# KiCad board SparkFun_IM19_IMU_Breakout_panelized.kicad_pcb (continued)
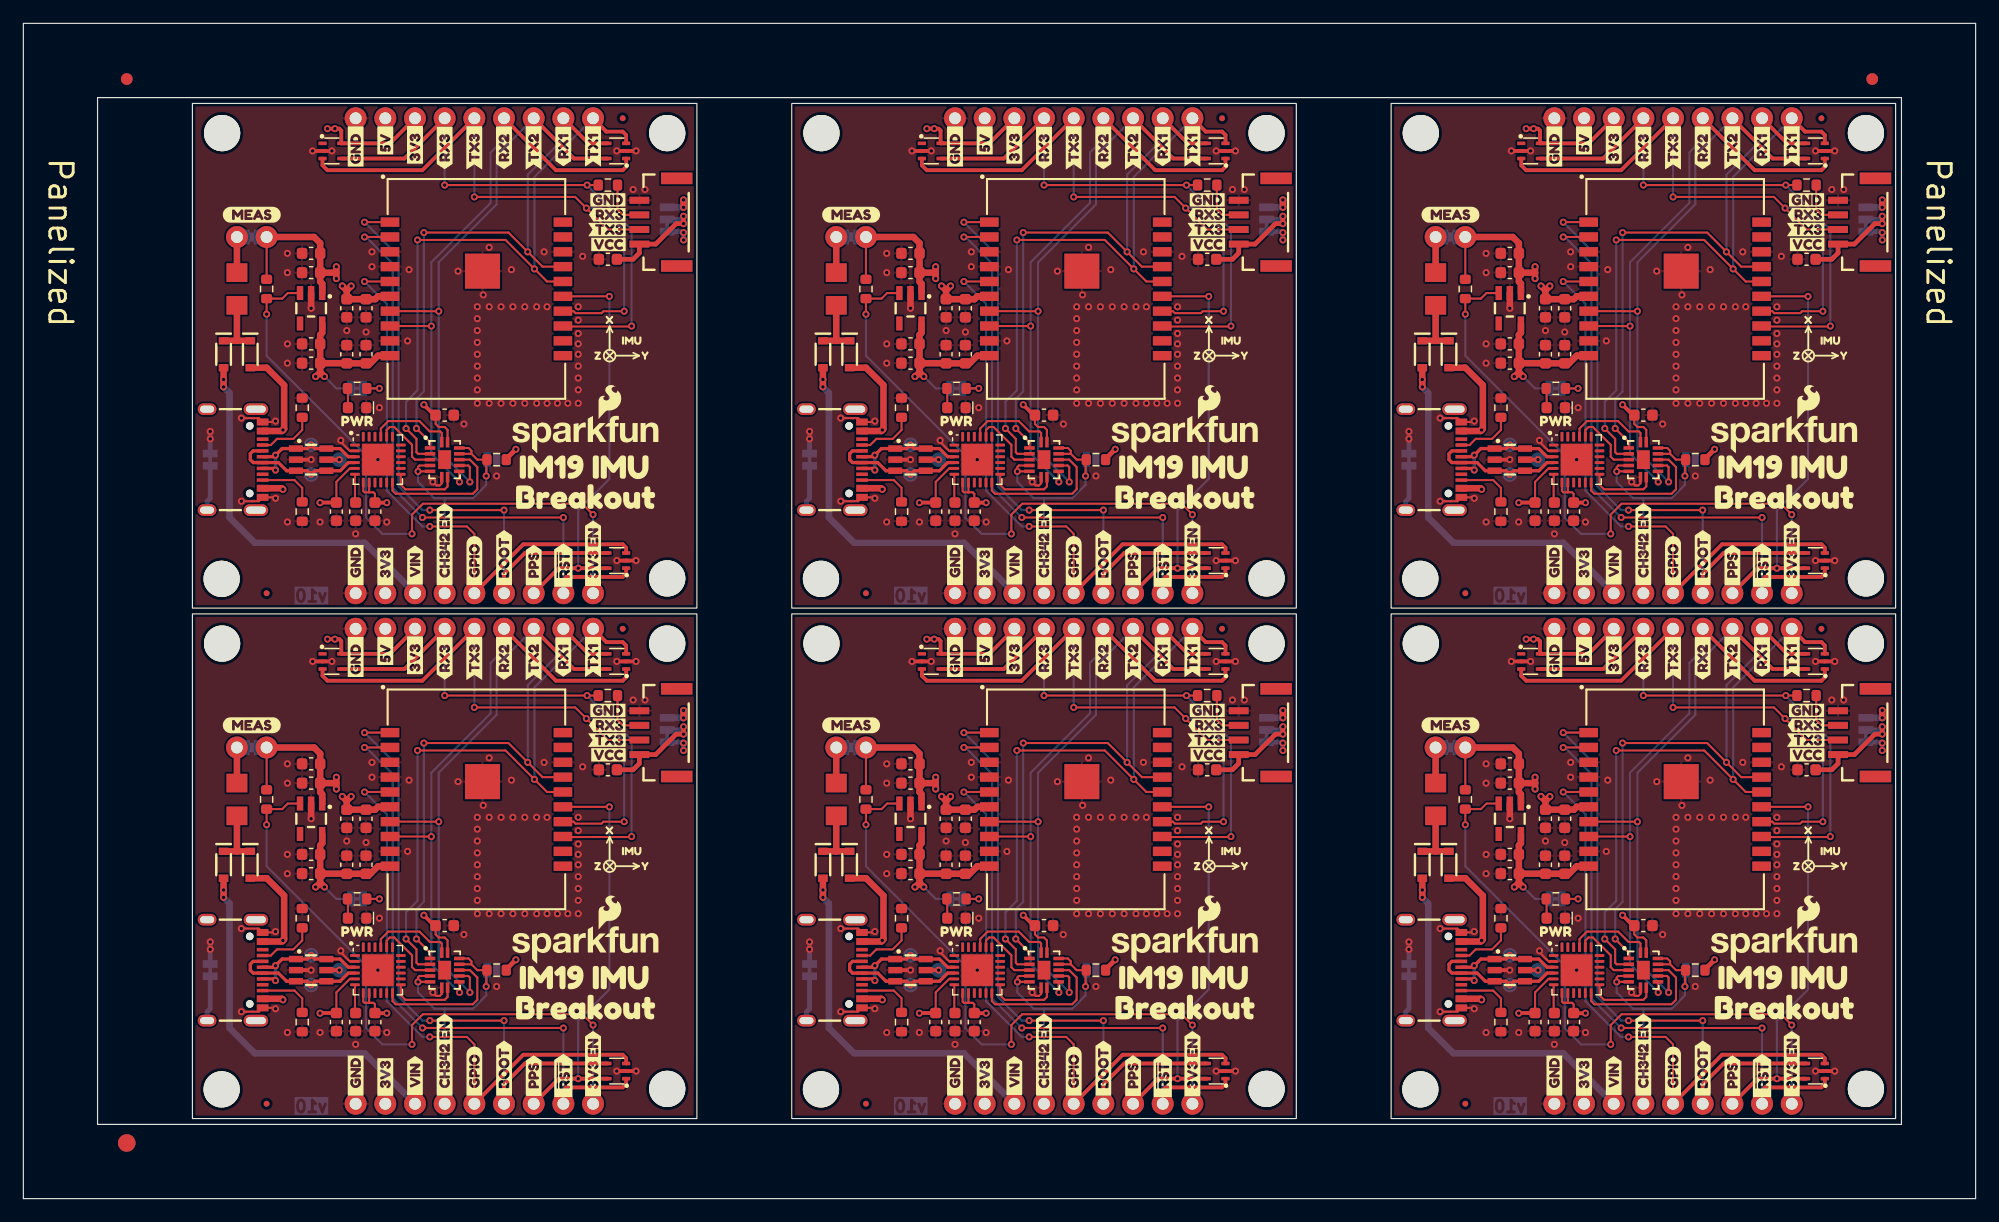
[diagram p0: board, top side]
## Library data of the parts (continued)
D4 D5 D7 = -: Datasheet: https://toshiba.semicon-storage.com/info/DF5A5.6LFU_datasheet_en_20140301.pdf?did=22260&prodName=DF5A5.6LFU; Description: Low capacitance microSD unidirectional quadruple ESD protection diode array, 3.3V, Common Anode, SOT-353; PROD_ID: DIO-20454; Rating: 3.3VWM/12VC; ki_fp_filters: SOT?353*
D4#2-D4#6 D5#2-D5#6 D7#2-D7#6 = -: Datasheet: https://toshiba.semicon-storage.com/info/DF5A5.6LFU_datasheet_en_20140301.pdf?did=22260&prodName=DF5A5.6LFU; Description: Low capacitance microSD unidirectional quadruple ESD protection diode array, 3.3V, Common Anode, SOT-353; PROD_ID: DIO-20454; Rating: 3.3VWM/12VC
D6 = -: Datasheet: https://www.diodes.com/assets/Datasheets/DT1042-04SO.pdf; Description: Very low capacitance ESD protection diode, 4 data-line, SOT-23-6; PROD_ID: IC-13538; Rating: 5VWM/9VC; ki_fp_filters: SOT?23*
D6#2-D6#6 = -: Datasheet: https://www.diodes.com/assets/Datasheets/DT1042-04SO.pdf; Description: Very low capacitance ESD protection diode, 4 data-line, SOT-23-6; PROD_ID: IC-13538; Rating: 5VWM/9VC
F1 = -: Datasheet: https://www.littelfuse.com/media?resourcetype=datasheets&itemid=2b6a1515-d4ee-4c83-8bd4-152b4901b8f5&filename=littelfuse_ptc_1206l_datasheet.pdf; Description: Resettable fuse 750mA; PROD_ID: RES-11150; ki_fp_filters: *polyfuse* *PTC*
F1#2-F1#6 = -: Datasheet: https://www.littelfuse.com/media?resourcetype=datasheets&itemid=2b6a1515-d4ee-4c83-8bd4-152b4901b8f5&filename=littelfuse_ptc_1206l_datasheet.pdf; Description: Resettable fuse 750mA; PROD_ID: RES-11150
FID1-FID4 = -: Description: Fiducial Marker; ki_fp_filters: Fiducial*
FID1#2-FID1#6 FID2#2-FID2#6 FID3#2-FID3#6 FID4#2-FID4#6 = -: Description: Fiducial Marker
J1 = -: Datasheet: https://www.jst-mfg.com/product/pdf/eng/eGH.pdf; Description: Locking 4 pin JST SMD connector; PROD_ID: CONN-15303; ki_fp_filters: Connector*:*_1x??_*
J1#2-J1#6 = -: Datasheet: https://www.jst-mfg.com/product/pdf/eng/eGH.pdf; Description: Locking 4 pin JST SMD connector; PROD_ID: CONN-15303
J2 J4 = -: Description: Basic 0.1" PTH; ki_fp_filters: Connector*:*_1x??_*
J2#2-J2#6 J4#2-J4#6 = -: Description: Basic 0.1" PTH
J3 = -: Datasheet: https://www.usb.org/sites/default/files/documents/usb_type-c.zip; Description: USB 2.0-only Type-C Receptacle connector; PROD_ID: CONN-14122; ki_fp_filters: USB*C*Receptacle*
J3#2-J3#6 = -: Datasheet: https://www.usb.org/sites/default/files/documents/usb_type-c.zip; Description: USB 2.0-only Type-C Receptacle connector; PROD_ID: CONN-14122
JP1 PWR.1 SHLD1 = -: Description: Solder Jumper, 2-pole, closed/bridged; ki_fp_filters: SolderJumper*Bridged*
JP1#2-JP1#6 PWR.1#2-PWR.1#6 SHLD1#2-SHLD1#6 = -: Description: Solder Jumper, 2-pole, closed/bridged
R1 R2 = -: Datasheet: https://www.vishay.com/docs/20035/dcrcwe3.pdf; Description: Resistor; PROD_ID: RES-07828; ki_fp_filters: R_*
R1#2-R1#6 R2#2-R2#6 = -: Datasheet: https://www.vishay.com/docs/20035/dcrcwe3.pdf; Description: Resistor; PROD_ID: RES-07828
R3 = -: Datasheet: https://www.vishay.com/docs/20035/dcrcwe3.pdf; Description: Resistor; PROD_ID: RES-07856; ki_fp_filters: R_*
R3#2-R3#6 = -: Datasheet: https://www.vishay.com/docs/20035/dcrcwe3.pdf; Description: Resistor; PROD_ID: RES-07856
R4 = -: Datasheet: https://www.vishay.com/docs/20035/dcrcwe3.pdf; Description: Resistor; PROD_ID: RES-07857; ki_fp_filters: R_*
R4#2-R4#6 = -: Datasheet: https://www.vishay.com/docs/20035/dcrcwe3.pdf; Description: Resistor; PROD_ID: RES-07857
R5 R6 = -: Datasheet: https://www.vishay.com/docs/20035/dcrcwe3.pdf; Description: Resistor; PROD_ID: RES-12083; ki_fp_filters: R_*
R5#2-R5#6 R6#2-R6#6 = -: Datasheet: https://www.vishay.com/docs/20035/dcrcwe3.pdf; Description: Resistor; PROD_ID: RES-12083
ST1-ST4 = -: Description: Drill holes for mechanically mounting via screws, standoffs, etc.; ki_fp_filters: Fiducial*
ST1#2-ST1#6 ST2#2-ST2#6 ST3#2-ST3#6 ST4#2-ST4#6 = -: Description: Drill holes for mechanically mounting via screws, standoffs, etc.
TP1-TP3 = -: Description: Test Point; ki_fp_filters: Pin* Test*
TP1#2-TP1#6 TP2#2-TP2#6 TP3#2-TP3#6 = -: Description: Test Point
U1 = -: Datasheet: https://cdn.sparkfun.com/assets/4/5/0/b/7/CH342_Datasheet.pdf; Description: USB dual serial converter, UART, QFN-24; PROD_ID: IC-23059; ki_fp_filters: SOIC*3.9x9.9mm*P1.27mm*
U1#2-U1#6 = -: Datasheet: https://cdn.sparkfun.com/assets/4/5/0/b/7/CH342_Datasheet.pdf; Description: USB dual serial converter, UART, QFN-24; PROD_ID: IC-23059
U2 = -: Datasheet: https://cdn.sparkfun.com/assets/6/c/c/a/0/IM19_Product_Integration_Guide_v1.4.1.pdf; Description: GNSS capable IMU for tilt compensation; PROD_ID: IC-26590; ki_fp_filters: SOIC*5.23x5.23mm*P1.27mm*
U2#2-U2#6 = -: Datasheet: https://cdn.sparkfun.com/assets/6/c/c/a/0/IM19_Product_Integration_Guide_v1.4.1.pdf; Description: GNSS capable IMU for tilt compensation; PROD_ID: IC-26590
U3 = -: Datasheet: https://www.richtek.com/SaveDownload.aspx?specid=RT9080; Description: 600mA low dropout linear regulator, with enable pin, 3.8V-6V input voltage range, 3.3V fixed positive output, SOT-23-5; PROD_ID: VREG-19034; VMax: 5.5V; Ityp: 1.0A; IMax: 600mA; Iq: 4µA; ki_fp_filters: SOT?23?5*
U3#2-U3#6 = -: Datasheet: https://www.richtek.com/SaveDownload.aspx?specid=RT9080; Description: 600mA low dropout linear regulator, with enable pin, 3.8V-6V input voltage range, 3.3V fixed positive output, SOT-23-5; PROD_ID: VREG-19034; VMax: 5.5V; Ityp: 1.0A; IMax: 600mA; Iq: 4µA
U4 U4#3-U4#6 = -: Datasheet: https://assets.nexperia.com/documents/data-sheet/74HC_HCT4066.pdf; Description: Quad single-pole single-throw analog switch QFN; PROD_ID: IC-16528; VCC: VCC: 2.0V Min, 5.0V Typ, 10.0V Max
U4#2 = -: Datasheet: https://assets.nexperia.com/documents/data-sheet/74HC_HCT4066.pdf; Description: Quad single-pole single-throw analog switch QFN; PROD_ID: IC-16528; VCC: VCC: 2.0V Min, 5.0V Typ, 10.0V Max; ki_fp_filters: TSSOP*4.4x5mm*P0.65mm* DIP*W7.62* SOIC*3.9x9.9mm*P1.27mm* SO*5.3x10.2mm*P1.27mm*
VCC.1 = -: Description: 3-pole Solder Jumper, pins 1+2 closed/bridged; ki_fp_filters: SolderJumper*Bridged12*
VCC.1#2-VCC.1#6 = -: Description: 3-pole Solder Jumper, pins 1+2 closed/bridged

## Footprints (pads in the part's own frame, mm; a bottom-side part is the same pattern mirrored in y, then rotated)
1x09_P2.54mm
  round 1.88 hole 1.016: 1(0,0) 2(2.54,0) 3(5.08,0) 4(7.62,0) 5(10.16,0) 6(12.7,0) 7(15.24,0) 8(17.78,0) 9(20.32,0)
1206
  rect 1.6x1.8 smd: 1(-1.4,0) 2(1.4,0)
C_0603_1608Metric
  rrect 0.9x0.95 smd: 1(-0.775,0) 2(0.775,0)
Fiducial_0.5mm_Mask1mm
  round 0.5 smd: (0,0)
Fiducial_1.5mm_Mask3mm
  round 1.5 smd: (0,0)
Fiducial_1mm_Mask3mm
  round 1 smd: (0,0)
IM19
  rect 1.6x0.8 smd: 1(-7.4,5.715) 2(-7.4,4.445) 3(-7.4,3.175) 4(-7.4,1.905) 5(-7.4,0.635) 6(-7.4,-0.635) 7(-7.4,-1.905) 8(-7.4,-3.175) 9(-7.4,-4.445) 10(-7.4,-5.715) 11(7.4,-5.715) 12(7.4,-4.445) 13(7.4,-3.175) 14(7.4,-1.905) 15(7.4,-0.635) 16(7.4,0.635) 17(7.4,1.905) 18(7.4,3.175) 19(7.4,4.445) 20(7.4,5.715)
  rect 3x3 smd: 21(0.52,1.52)
JST_1x04_P1.25mm_Locking_Horizontal_SMD
  rect 0.6x1.7 smd: 1(-1.875,1.75) 2(-0.625,1.75) 3(0.625,1.75) 4(1.875,1.75)
  rect 1x2.7 smd: NC1(-3.75,-1.45) NC2(3.75,-1.45)
Jumper_2_NC_Trace
  rect 0.66x1.27 smd: 1(-0.521,0) 2(0.521,0)
Jumper_2_NO
  rect 0.635x1.27 smd: 1(-0.406,0) 2(0.406,0)
Jumper_2_PTH_SMD_Combo-NC
  round 1.88 hole 1.016: 1(-1.27,0) 2(1.27,0)
  rect 0.635x1.27 smd: 1(-0.508,0) 2(0.508,0)
Jumper_3_NC-1_Trace
  rect 0.66x1.27 smd: 1(-1.041,0) 2(0,0) 3(1.041,0)
LED_0603_1608Metric_Red
  rrect 0.875x0.95 smd: 1(-0.787,0) 2(0.787,0)
QFN-14_2.5x3mm_P0.5mm_EP1x1.5mm
  rect 0.3x0.9 smd: 1(-0.25,1.5) 7(-0.25,-1.5) 8(0.25,-1.5) 14(0.25,1.5)
  rect 0.9x0.3 smd: 2(-1.25,1) 3(-1.25,0.5) 4(-1.25,0) 5(-1.25,-0.5) 6(-1.25,-1) 9(1.25,-1) 10(1.25,-0.5) 11(1.25,0) 12(1.25,0.5) 13(1.25,1)
  rect 1.1x1.6 smd: EP(0,0)
QFN-24-1EP_4x4mm_P0.5mm_EP2.7x2.7mm
  rrect 1.09x1.09 smd: (-0.675,0.675) (-0.675,-0.675) (0.675,0.675) (0.675,-0.675)
  rrect 0.825x0.25 smd: 1(-1.962,1.25) 2(-1.962,0.75) 3(-1.962,0.25) 4(-1.962,-0.25) 5(-1.962,-0.75) 6(-1.962,-1.25) 13(1.962,-1.25) 14(1.962,-0.75) 15(1.962,-0.25) 16(1.962,0.25) 17(1.962,0.75) 18(1.962,1.25)
  rrect 0.25x0.825 smd: 7(-1.25,-1.962) 8(-0.75,-1.962) 9(-0.25,-1.962) 10(0.25,-1.962) 11(0.75,-1.962) 12(1.25,-1.962) 19(1.25,1.962) 20(0.75,1.962) 21(0.25,1.962) 22(-0.25,1.962) 23(-0.75,1.962) 24(-1.25,1.962)
  rect 2.7x2.7 smd: 25(0,0)
R_0603_1608Metric
  rrect 0.8x0.95 smd: 1(-0.825,0) 2(0.825,0)
SOD-323
  rect 0.63x0.83 smd: 1(-1.15,0) 2(1.15,0)
SOT23-5
  rect 1.2x0.55 smd: 1(-1.3,0.95) 2(-1.3,0) 3(-1.3,-0.95) 4(1.3,-0.95) 5(1.3,0.95)
SOT23-6
  rect 1.2x0.55 smd: 1(-1.3,0.95) 2(-1.3,0) 3(-1.3,-0.95) 4(1.3,-0.95) 5(1.3,0) 6(1.3,0.95)
SOT-353
  rect 0.7x0.3 smd: 1(-0.8,0.65) 2(-0.8,0) 3(-0.8,-0.65) 4(0.8,-0.65) 5(0.8,0.65)
Standoff
  round 3.1 hole 3.1 unplated: (0,0)
TestPoint-1.25mm
  rrect 1.25x1.25 smd: 1(0,0)
USB-C_16
  round 0.65 hole 0.65 unplated: (-2.89,-1.445) (2.89,-1.445)
  rect 0.3x1 smd: A5(-1.25,-0.34) A6(-0.25,-0.34) A7(0.25,-0.34) A8(1.25,-0.34) B5(1.75,-0.34) B6(0.75,-0.34) B7(-0.75,-0.34) B8(-1.75,-0.34)
  rect 0.6x1 smd: GND(-3.225,-0.34) GND(3.225,-0.34) VBUS(-2.45,-0.34) VBUS(2.45,-0.34)
  oval 1x1.6 hole 0.6x1.2: NC1(-4.318,-5.095) S(4.318,-5.095)
  oval 1x2.1 hole 0.6x1.7: NC2(-4.318,-0.915) NC3(4.318,-0.915)

## Nets
3.3V: C1.1 C1#2.1 C1#3.1 C1#4.1 C1#5.1 C1#6.1 C2.1 C2#2.1 C2#3.1 C2#4.1 C2#5.1 C2#6.1 C3.1 C3#2.1 C3#3.1 C3#4.1 C3#5.1 C3#6.1 C4.1 C4#2.1 C4#3.1 C4#4.1 C4#5.1 C4#6.1 C6.1 C6#2.1 C6#3.1 C6#4.1 C6#5.1 C6#6.1 C10.1 C10#2.1 C10#3.1 C10#4.1 C10#5.1 C10#6.1 C12.1 C12#2.1 C12#3.1 C12#4.1 C12#5.1 C12#6.1 C13.1 C13#2.1 C13#3.1 C13#4.1 C13#5.1 C13#6.1 D5.5 D5#2.5 D5#3.5 D5#4.5 D5#5.5 D5#6.5 J2.7 J2#2.7 J2#3.7 J2#4.7 J2#5.7 J2#6.7 J4.8 J4#2.8 J4#3.8 J4#4.8 J4#5.8 J4#6.8 PWR.1.2 PWR.1#2.2 PWR.1#3.2 PWR.1#4.2 PWR.1#5.2 PWR.1#6.2 R2.2 R2#2.2 R2#3.2 R2#4.2 R2#5.2 R2#6.2 U1.5 U1#2.5 U1#3.5 U1#4.5 U1#5.5 U1#6.5 U2.6 U2.10 U2#2.6 U2#2.10 U2#3.6 U2#3.10 U2#4.6 U2#4.10 U2#5.6 U2#5.10 U2#6.6 U2#6.10 U3.5 U3#2.5 U3#3.5 U3#4.5 U3#5.5 U3#6.5 U4.14 U4#2.14 U4#3.14 U4#4.14 U4#5.14 U4#6.14 VCC.1.1 VCC.1#2.1 VCC.1#3.1 VCC.1#4.1 VCC.1#5.1 VCC.1#6.1
3V3_EN: J4.1 J4#2.1 J4#3.1 J4#4.1 J4#5.1 J4#6.1 R1.1 R1#2.1 R1#3.1 R1#4.1 R1#5.1 R1#6.1 U3.3 U3#2.3 U3#3.3 U3#4.3 U3#5.3 U3#6.3
5V: C8.1 C8#2.1 C8#3.1 C8#4.1 C8#5.1 C8#6.1 C9.1 C9#2.1 C9#3.1 C9#4.1 C9#5.1 C9#6.1 J2.8 J2#2.8 J2#3.8 J2#4.8 J2#5.8 J2#6.8 JP1.2 JP1#2.2 JP1#3.2 JP1#4.2 JP1#5.2 JP1#6.2 R1.2 R1#2.2 R1#3.2 R1#4.2 R1#5.2 R1#6.2 U3.1 U3#2.1 U3#3.1 U3#4.1 U3#5.1 U3#6.1 VCC.1.3 VCC.1#2.3 VCC.1#3.3 VCC.1#4.3 VCC.1#5.3 VCC.1#6.3
GND: C1.2 C1#2.2 C1#3.2 C1#4.2 C1#5.2 C1#6.2 C2.2 C2#2.2 C2#3.2 C2#4.2 C2#5.2 C2#6.2 C3.2 C3#2.2 C3#3.2 C3#4.2 C3#5.2 C3#6.2 C4.2 C4#2.2 C4#3.2 C4#4.2 C4#5.2 C4#6.2 C5.2 C5#2.2 C5#3.2 C5#4.2 C5#5.2 C5#6.2 C6.2 C6#2.2 C6#3.2 C6#4.2 C6#5.2 C6#6.2 C7.2 C7#2.2 C7#3.2 C7#4.2 C7#5.2 C7#6.2 C8.2 C8#2.2 C8#3.2 C8#4.2 C8#5.2 C8#6.2 C9.2 C9#2.2 C9#3.2 C9#4.2 C9#5.2 C9#6.2 C10.2 C10#2.2 C10#3.2 C10#4.2 C10#5.2 C10#6.2 C11.2 C11#2.2 C11#3.2 C11#4.2 C11#5.2 C11#6.2 C12.2 C12#2.2 C12#3.2 C12#4.2 C12#5.2 C12#6.2 C13.2 C13#2.2 C13#3.2 C13#4.2 C13#5.2 C13#6.2 CH342_EN.1.1 CH342_EN.1#2.1 CH342_EN.1#3.1 CH342_EN.1#4.1 CH342_EN.1#5.1 CH342_EN.1#6.1 D3.1 D3#2.1 D3#3.1 D3#4.1 D3#5.1 D3#6.1 D4.2 D4#2.2 D4#3.2 D4#4.2 D4#5.2 D4#6.2 D5.2 D5#2.2 D5#3.2 D5#4.2 D5#5.2 D5#6.2 D6.2 D6#2.2 D6#3.2 D6#4.2 D6#5.2 D6#6.2 D7.2 D7#2.2 D7#3.2 D7#4.2 D7#5.2 D7#6.2 J1.4 J1#2.4 J1#3.4 J1#4.4 J1#5.4 J1#6.4 J2.9 J2#2.9 J2#3.9 J2#4.9 J2#5.9 J2#6.9 J3.GND J3#2.GND J3#3.GND J3#4.GND J3#5.GND J3#6.GND J4.9 J4#2.9 J4#3.9 J4#4.9 J4#5.9 J4#6.9 R5.1 R5#2.1 R5#3.1 R5#4.1 R5#5.1 R5#6.1 R6.1 R6#2.1 R6#3.1 R6#4.1 R6#5.1 R6#6.1 SHLD1.1 SHLD1#2.1 SHLD1#3.1 SHLD1#4.1 SHLD1#5.1 SHLD1#6.1 U1.2 U1.25 U1#2.2 U1#2.25 U1#3.2 U1#3.25 U1#4.2 U1#4.25 U1#5.2 U1#5.25 U1#6.2 U1#6.25 U2.3 U2.4 U2.9 U2.18 U2.21 U2#2.3 U2#2.4 U2#2.9 U2#2.18 U2#2.21 U2#3.3 U2#3.4 U2#3.9 U2#3.18 U2#3.21 U2#4.3 U2#4.4 U2#4.9 U2#4.18 U2#4.21 U2#5.3 U2#5.4 U2#5.9 U2#5.18 U2#5.21 U2#6.3 U2#6.4 U2#6.9 U2#6.18 U2#6.21 U3.2 U3#2.2 U3#3.2 U3#4.2 U3#5.2 U3#6.2 U4.7 U4#2.7 U4#3.7 U4#4.7 U4#5.7 U4#6.7
VIN: D2.2 D2#2.2 D2#3.2 D2#4.2 D2#5.2 D2#6.2 J4.7 J4#2.7 J4#3.7 J4#4.7 J4#5.7 J4#6.7
BOOT: D7.4 D7#2.4 D7#3.4 D7#4.4 D7#5.4 D7#6.4 J4.4 J4#2.4 J4#3.4 J4#4.4 J4#5.4 J4#6.4 U2.1 U2#2.1 U2#3.1 U2#4.1 U2#5.1 U2#6.1
CH342_EN: CH342_EN.1.2 CH342_EN.1#2.2 CH342_EN.1#3.2 CH342_EN.1#4.2 CH342_EN.1#5.2 CH342_EN.1#6.2 J4.6 J4#2.6 J4#3.6 J4#4.6 J4#5.6 J4#6.6 R2.1 R2#2.1 R2#3.1 R2#4.1 R2#5.1 R2#6.1 U4.5 U4.6 U4.12 U4.13 U4#2.5 U4#2.6 U4#2.12 U4#2.13 U4#3.5 U4#3.6 U4#3.12 U4#3.13 U4#4.5 U4#4.6 U4#4.12 U4#4.13 U4#5.5 U4#5.6 U4#5.12 U4#5.13 U4#6.5 U4#6.6 U4#6.12 U4#6.13
D+: D6.1 D6.6 D6#2.1 D6#2.6 D6#3.1 D6#3.6 D6#4.1 D6#4.6 D6#5.1 D6#5.6 D6#6.1 D6#6.6 J3.A6 J3.B6 J3#2.A6 J3#2.B6 J3#3.A6 J3#3.B6 J3#4.A6 J3#4.B6 J3#5.A6 J3#5.B6 J3#6.A6 J3#6.B6 TP1.1 TP1#2.1 TP1#3.1 TP1#4.1 TP1#5.1 TP1#6.1 U1.3 U1#2.3 U1#3.3 U1#4.3 U1#5.3 U1#6.3
D-: D6.3 D6.4 D6#2.3 D6#2.4 D6#3.3 D6#3.4 D6#4.3 D6#4.4 D6#5.3 D6#5.4 D6#6.3 D6#6.4 J3.A7 J3.B7 J3#2.A7 J3#2.B7 J3#3.A7 J3#3.B7 J3#4.A7 J3#4.B7 J3#5.A7 J3#5.B7 J3#6.A7 J3#6.B7 TP2.1 TP2#2.1 TP2#3.1 TP2#4.1 TP2#5.1 TP2#6.1 U1.4 U1#2.4 U1#3.4 U1#4.4 U1#5.4 U1#6.4
GPIO: D7.3 D7#2.3 D7#3.3 D7#4.3 D7#5.3 D7#6.3 J4.5 J4#2.5 J4#3.5 J4#4.5 J4#5.5 J4#6.5 U2.5 U2#2.5 U2#3.5 U2#4.5 U2#5.5 U2#6.5
PPS: D7.5 D7#2.5 D7#3.5 D7#4.5 D7#5.5 D7#6.5 J4.3 J4#2.3 J4#3.3 J4#4.3 J4#5.3 J4#6.3 U2.15 U2#2.15 U2#3.15 U2#4.15 U2#5.15 U2#6.15
RXD1: D4.4 D4#2.4 D4#3.4 D4#4.4 D4#5.4 D4#6.4 J2.2 J2#2.2 J2#3.2 J2#4.2 J2#5.2 J2#6.2 U2.17 U2#2.17 U2#3.17 U2#4.17 U2#5.17 U2#6.17 U4.2 U4#2.2 U4#3.2 U4#4.2 U4#5.2 U4#6.2
RXD2: D4.1 D4#2.1 D4#3.1 D4#4.1 D4#5.1 D4#6.1 J2.4 J2#2.4 J2#3.4 J2#4.4 J2#5.4 J2#6.4 U2.8 U2#2.8 U2#3.8 U2#4.8 U2#5.8 U2#6.8 U4.9 U4#2.9 U4#3.9 U4#4.9 U4#5.9 U4#6.9
RXD3: D5.4 D5#2.4 D5#3.4 D5#4.4 D5#5.4 D5#6.4 J2.6 J2#2.6 J2#3.6 J2#4.6 J2#5.6 J2#6.6 R3.1 R3#2.1 R3#3.1 R3#4.1 R3#5.1 R3#6.1 U2.13 U2#2.13 U2#3.13 U2#4.13 U2#5.13 U2#6.13
TXD1: D4.3 D4#2.3 D4#3.3 D4#4.3 D4#5.3 D4#6.3 J2.1 J2#2.1 J2#3.1 J2#4.1 J2#5.1 J2#6.1 U2.16 U2#2.16 U2#3.16 U2#4.16 U2#5.16 U2#6.16 U4.3 U4#2.3 U4#3.3 U4#4.3 U4#5.3 U4#6.3
TXD2: D4.5 D4#2.5 D4#3.5 D4#4.5 D4#5.5 D4#6.5 J2.3 J2#2.3 J2#3.3 J2#4.3 J2#5.3 J2#6.3 U2.7 U2#2.7 U2#3.7 U2#4.7 U2#5.7 U2#6.7 U4.10 U4#2.10 U4#3.10 U4#4.10 U4#5.10 U4#6.10
TXD3: D5.3 D5#2.3 D5#3.3 D5#4.3 D5#5.3 D5#6.3 J1.2 J1#2.2 J1#3.2 J1#4.2 J1#5.2 J1#6.2 J2.5 J2#2.5 J2#3.5 J2#4.5 J2#5.5 J2#6.5 U2.14 U2#2.14 U2#3.14 U2#4.14 U2#5.14 U2#6.14
VUSB: C5.1 C5#2.1 C5#3.1 C5#4.1 C5#5.1 C5#6.1 D1.2 D1#2.2 D1#3.2 D1#4.2 D1#5.2 D1#6.2 D6.5 D6#2.5 D6#3.5 D6#4.5 D6#5.5 D6#6.5 J3.VBUS J3#2.VBUS J3#3.VBUS J3#4.VBUS J3#5.VBUS J3#6.VBUS TP3.1 TP3#2.1 TP3#3.1 TP3#4.1 TP3#5.1 TP3#6.1 U1.7 U1.8 U1#2.7 U1#2.8 U1#3.7 U1#3.8 U1#4.7 U1#4.8 U1#5.7 U1#5.8 U1#6.7 U1#6.8
~{RESET}: D7.1 D7#2.1 D7#3.1 D7#4.1 D7#5.1 D7#6.1 J4.2 J4#2.2 J4#3.2 J4#4.2 J4#5.2 J4#6.2 U2.2 U2#2.2 U2#3.2 U2#4.2 U2#5.2 U2#6.2
Net-(D1-K): D1.1 D1#2.1 D1#3.1 D1#4.1 D1#5.1 D1#6.1 D2.1 D2#2.1 D2#3.1 D2#4.1 D2#5.1 D2#6.1 F1.1 F1#2.1 F1#3.1 F1#4.1 F1#5.1 F1#6.1
Net-(D3-A): D3.2 D3#2.2 D3#3.2 D3#4.2 D3#5.2 D3#6.2 R4.1 R4#2.1 R4#3.1 R4#4.1 R4#5.1 R4#6.1
Net-(J1-Pin_1): C11.1 C11#2.1 C11#3.1 C11#4.1 C11#5.1 C11#6.1 J1.1 J1#2.1 J1#3.1 J1#4.1 J1#5.1 J1#6.1 VCC.1.2 VCC.1#2.2 VCC.1#3.2 VCC.1#4.2 VCC.1#5.2 VCC.1#6.2
Net-(J1-Pin_3): J1.3 J1#2.3 J1#3.3 J1#4.3 J1#5.3 J1#6.3 R3.2 R3#2.2 R3#3.2 R3#4.2 R3#5.2 R3#6.2
Net-(J3-CC1): J3.A5 J3#2.A5 J3#3.A5 J3#4.A5 J3#5.A5 J3#6.A5 R6.2 R6#2.2 R6#3.2 R6#4.2 R6#5.2 R6#6.2
Net-(J3-CC2): J3.B5 J3#2.B5 J3#3.B5 J3#4.B5 J3#5.B5 J3#6.B5 R5.2 R5#2.2 R5#3.2 R5#4.2 R5#5.2 R5#6.2
Net-(J3-SHIELD): J3.S J3#2.S J3#3.S J3#4.S J3#5.S J3#6.S SHLD1.2 SHLD1#2.2 SHLD1#3.2 SHLD1#4.2 SHLD1#5.2 SHLD1#6.2
Net-(JP1-A): F1.2 F1#2.2 F1#3.2 F1#4.2 F1#5.2 F1#6.2 JP1.1 JP1#2.1 JP1#3.1 JP1#4.1 JP1#5.1 JP1#6.1
Net-(PWR.1-A): PWR.1.1 PWR.1#2.1 PWR.1#3.1 PWR.1#4.1 PWR.1#5.1 PWR.1#6.1 R4.2 R4#2.2 R4#3.2 R4#4.2 R4#5.2 R4#6.2
Net-(U1-RXD0): U1.20 U1#2.20 U1#3.20 U1#4.20 U1#5.20 U1#6.20 U4.4 U4#2.4 U4#3.4 U4#4.4 U4#5.4 U4#6.4
Net-(U1-RXD1): U1.12 U1#2.12 U1#3.12 U1#4.12 U1#5.12 U1#6.12 U4.11 U4#2.11 U4#3.11 U4#4.11 U4#5.11 U4#6.11
Net-(U1-TXD0): U1.21 U1#2.21 U1#3.21 U1#4.21 U1#5.21 U1#6.21 U4.1 U4#2.1 U4#3.1 U4#4.1 U4#5.1 U4#6.1
Net-(U1-TXD1): U1.13 U1#2.13 U1#3.13 U1#4.13 U1#5.13 U1#6.13 U4.8 U4#2.8 U4#3.8 U4#4.8 U4#5.8 U4#6.8
Net-(U1-V3): C7.1 C7#2.1 C7#3.1 C7#4.1 C7#5.1 C7#6.1 U1.6 U1#2.6 U1#3.6 U1#4.6 U1#5.6 U1#6.6

Pads without a net: D5 1; D5#2 1; D5#3 1; D5#4 1; D5#5 1; D5#6 1; J1 NC1 NC2; J1#2 NC1 NC2; J1#3 NC1 NC2; J1#4 NC1 NC2; J1#5 NC1 NC2; J1#6 NC1 NC2; J3 A8 B8 NC1 NC2 NC3; J3#2 A8 B8 NC1 NC2 NC3; J3#3 A8 B8 NC1 NC2 NC3; J3#4 A8 B8 NC1 NC2 NC3; J3#5 A8 B8 NC1 NC2 NC3; J3#6 A8 B8 NC1 NC2 NC3; U1 1 9 10 11 14 15 16 17 18 19 22 23 24; U1#2 1 9 10 11 14 15 16 17 18 19 22 23 24; U1#3 1 9 10 11 14 15 16 17 18 19 22 23 24; U1#4 1 9 10 11 14 15 16 17 18 19 22 23 24; U1#5 1 9 10 11 14 15 16 17 18 19 22 23 24; U1#6 1 9 10 11 14 15 16 17 18 19 22 23 24; U2 11 12 19 20; U2#2 11 12 19 20; U2#3 11 12 19 20; U2#4 11 12 19 20; U2#5 11 12 19 20; U2#6 11 12 19 20; U3 4; U3#2 4; U3#3 4; U3#4 4; U3#5 4; U3#6 4; U4 EP; U4#2 EP; U4#3 EP; U4#4 EP; U4#5 EP; U4#6 EP

## Via types
v1: diameter 0.61, hole 0.305, Top to Bottom, 798 vias

## Routing (per net, layer and track width the routed paths; a pad name or vN(x,y) marks a point on that pad's centre or on a via; arc(x,y) is an arc through that point)
3.3V: length 267.8
  Top w0.178: U4.14 138.91,22.09 138.66,22.34 138.15,22.34 137.89,22.61 C13#4.1 ; C13#3.1 86.59,22.61 86.85,22.34 87.36,22.34 87.61,22.09 U4#4.14 ; C6#4.1 26.79,61.33 27.94,62.48 U1#2.5 ; C6#2.1 129.39,61.33 130.54,62.48 U1#5.5 ; U1#4.5 79.24,18.8 78.09,17.64 C6#5.1 ; U4#6.14 138.91,65.77 138.66,66.02 138.15,66.02 137.89,66.29 C13#5.1 ; U1#3.5 79.24,62.48 78.09,61.33 C6#6.1 ; C13#6.1 86.59,66.29 86.85,66.02 87.36,66.02 87.61,65.77 U4#5.14 ; U1.5 27.94,18.8 26.79,17.64 C6.1 ; U4#2.14 36.31,22.09 36.06,22.34 35.55,22.34 35.28,22.61 C13.1 ; C13#2.1 35.28,66.29 35.55,66.02 36.06,66.02 36.31,65.77 U4#3.14 ; C6#3.1 129.39,17.64 130.54,18.8 U1#6.5
  Top w0.33: v1(85.58,24.25) 86.47,23.36 C13#3.1 ; v1(77.33,47.87) 78.34,47.87 78.51,47.71 D5#2.5 82.68,46.62 J2#2.7 ; v1(34.28,67.93) 35.17,67.04 C13#2.1 ; v1(25.39,15.87) 25.41,15.88 C6.1 ; C13.1 35.17,23.36 v1(34.28,24.25) ; v1(127.99,15.87) 128,15.88 C6#3.1 ; C6#5.1 76.71,15.88 v1(76.69,15.87) ; v1(85.58,67.93) 86.47,67.04 C13#6.1 ; J2#6.7 133.98,90.3 D5#4.5 129.81,91.39 129.64,91.55 v1(128.63,91.55) ; v1(26.03,91.55) 27.04,91.55 27.21,91.39 D5#3.5 31.38,90.3 J2#3.7 ; J2#5.7 133.98,46.62 D5#5.5 129.81,47.71 129.64,47.87 v1(128.63,47.87) ; C13#4.1 137.77,23.36 v1(136.88,24.25) ; v1(25.39,59.55) 25.41,59.56 C6#4.1 ; v1(127.99,59.55) 128,59.56 C6#2.1 ; v1(136.88,67.93) 137.77,67.04 C13#5.1 ; v1(26.03,47.87) 27.04,47.87 27.21,47.71 D5.5 31.38,46.62 J2.7 ; C6#6.1 76.71,59.56 v1(76.69,59.55) ; J2#4.7 82.68,90.3 D5#6.5 78.51,91.39 78.34,91.55 v1(77.33,91.55)
  Top w0.406: R2#4.2 143.93,19.61 v1(144.76,20.44) ; v1(93.46,20.44) 92.63,19.61 R2#6.2 ; v1(144.76,64.12) 143.93,63.29 R2#2.2 ; v1(42.16,20.44) 41.33,19.61 R2.2 ; v1(93.46,64.12) 92.63,63.29 R2#5.2 ; v1(42.16,64.12) 41.33,63.29 R2#3.2
  Top w0.559: C12#5.1 78.97,71.48 C2#4.1 80.62,71.47 80.63,71.48 81.01,71.48 81.65,72.12 U2#5.10 ; C12#5.1 76.71,70.71 ; C12#5.1 C10#3.1 76.71,73.91 76.88,74.09 U3#3.5 ; 25.41,71.48 25.41,70.71 ; 25.41,71.48 27.66,71.48 C2#3.1 29.32,71.47 29.33,71.48 29.71,71.48 30.35,72.12 U2#3.10 ; 25.41,71.48 25.41,73.91 25.58,74.09 U3#2.5 ; 25.41,70.71 v1(25.77,70.34) ; 25.41,70.71 25.04,70.34 v1(25.01,70.34) ; U3.5 25.58,30.41 25.41,30.23 25.41,27.81 ; v1(129.9,78.09) 130.28,77.71 ; 130.28,77.71 C1#5.1 C3#6.1 132.71,76.96 132.96,77.21 U2#2.6 ; 130.28,77.71 v1(130.66,78.09) ; 128,70.71 127.64,70.34 v1(127.61,70.34) ; 128,70.71 v1(128.37,70.34) ; 128,70.71 128,71.48 ; 76.71,70.71 76.34,70.34 v1(76.31,70.34) ; 76.71,70.71 v1(77.07,70.34) ; 82.68,33.53 81.66,33.53 81.41,33.28 78.98,33.28 78.98,34.03 ; 25.41,27.03 25.04,26.66 v1(25.01,26.66) ; 25.41,27.03 25.41,27.81 ; 25.41,27.03 v1(25.77,26.66) ; 25.41,27.81 27.66,27.81 C2.1 29.32,27.79 29.33,27.81 29.71,27.81 30.35,28.45 31.38,28.45 ; v1(76.31,26.66) 76.34,26.66 76.71,27.03 ; v1(28.06,34.41) 27.68,34.03 ; 27.68,34.03 v1(27.3,34.41) ; 27.68,34.03 27.68,33.28 30.11,33.28 30.36,33.53 31.38,33.53 ; C12#2.1 78.97,27.81 C2#2.1 80.62,27.79 80.63,27.81 81.01,27.81 81.65,28.45 82.68,28.45 ; C12#2.1 76.71,27.03 ; C12#2.1 C10#5.1 76.71,30.23 76.88,30.41 U3#5.5 ; 128,27.03 v1(128.37,26.66) ; 128,27.03 127.64,26.66 v1(127.61,26.66) ; 128,27.03 128,27.81 ; 27.68,77.71 C1#6.1 C3#3.1 30.11,76.96 30.36,77.21 U2#3.6 ; 27.68,77.71 v1(27.3,78.09) ; 27.68,77.71 v1(28.06,78.09) ; 130.28,34.03 130.28,33.28 132.71,33.28 132.96,33.53 133.98,33.53 ; 130.28,34.03 v1(130.66,34.41) ; 130.28,34.03 v1(129.9,34.41) ; 76.71,27.03 v1(77.07,26.66) ; v1(79.36,78.09) 78.98,77.71 ; 78.98,77.71 v1(78.6,78.09) ; 78.98,77.71 C1#2.1 C3#4.1 81.41,76.96 81.66,77.21 U2#5.6 ; v1(78.6,34.41) 78.98,34.03 ; 78.98,34.03 v1(79.36,34.41) ; U3#6.5 128.18,74.09 128,73.91 128,71.48 ; U3#4.5 128.18,30.41 128,30.23 128,27.81 ; 128,27.81 130.27,27.81 C2#5.1 131.92,27.79 131.93,27.81 132.31,27.81 132.95,28.45 133.98,28.45 ; 128,71.48 130.27,71.48 C2#6.1 131.92,71.47 131.93,71.48 132.31,71.48 132.95,72.12 U2#2.10
  In2.Cu w0.33: v1(128.63,91.55) 128.75,91.55 ; v1(128.63,47.87) 128.75,47.87 ; v1(77.33,47.87) 77.45,47.87 ; v1(77.33,91.55) 77.45,91.55 ; v1(26.03,91.55) 26.15,91.55 ; v1(26.03,47.87) 26.15,47.87
  In2.Cu w0.406: v1(159.11,82.66) v1(159.11,82.03) ; v1(107.81,38.98) v1(107.81,38.35) ; v1(159.11,38.98) v1(159.11,38.35) ; v1(56.51,38.98) v1(56.51,38.35) ; v1(56.51,82.66) v1(56.51,82.03) ; v1(107.81,82.66) v1(107.81,82.03)
  In2.Cu w0.559: v1(128.37,70.34) v1(127.61,70.34) ; v1(77.07,70.34) v1(76.31,70.34) ; v1(25.77,70.34) v1(25.01,70.34) ; v1(128.37,26.66) v1(127.61,26.66) ; v1(25.77,26.66) v1(25.01,26.66) ; v1(77.07,26.66) v1(76.31,26.66)
  Bottom w0.178: PWR.1#4.2 78.09,69.33 v1(77.07,70.34) v1(76.31,70.34) ; v1(25.01,70.34) v1(25.77,70.34) 26.79,69.33 PWR.1#2.2 ; PWR.1#6.2 129.39,69.33 v1(128.37,70.34) v1(127.61,70.34) ; v1(127.61,26.66) v1(128.37,26.66) 129.39,25.65 PWR.1#5.2 ; PWR.1#3.2 78.09,25.65 v1(77.07,26.66) v1(76.31,26.66) ; v1(25.01,26.66) v1(25.77,26.66) 26.79,25.65 PWR.1.2
  Bottom w0.406: VCC.1.1 56.43,39.06 v1(56.51,38.98) v1(56.51,38.35) ; VCC.1#3.1 107.73,82.74 v1(107.81,82.66) v1(107.81,82.03) ; VCC.1#4.1 159.03,82.74 v1(159.11,82.66) v1(159.11,82.03) ; v1(56.51,82.03) v1(56.51,82.66) 56.43,82.74 VCC.1#2.1 ; v1(159.11,38.35) v1(159.11,38.98) 159.03,39.06 VCC.1#6.1 ; VCC.1#5.1 107.73,39.06 v1(107.81,38.98) v1(107.81,38.35)
  vias: v1(26.66,91.55) v1(26.66,47.87) v1(77.96,91.55) v1(77.96,47.87) v1(129.26,91.55) v1(129.26,47.87)
3V3_EN: length 326.8
  Top w0.178: U3#6.3 125.23,77.48 124.75,77.01 R1#6.1 v1(123.42,75.68) ; U3#2.3 22.63,77.48 22.15,77.01 R1#3.1 v1(20.82,75.68) ; v1(84.57,56.88) 84.57,58.53 85.49,59.46 99.13,59.46 v1(100.06,58.53) ; v1(72.12,75.68) R1#2.1 73.45,77.01 73.93,77.48 U3#3.3 ; v1(123.42,32) R1#5.1 124.75,33.33 125.23,33.8 U3#4.3 ; v1(20.82,32) R1.1 22.15,33.33 22.63,33.8 U3.3 ; v1(33.27,13.2) 33.27,14.85 34.19,15.78 47.83,15.78 v1(48.76,14.85) ; v1(135.87,13.2) 135.87,14.85 136.79,15.78 150.43,15.78 v1(151.36,14.85) ; v1(100.06,14.85) 99.13,15.78 85.49,15.78 84.57,14.85 v1(84.57,13.2) ; v1(151.36,58.53) 150.43,59.46 136.79,59.46 135.87,58.53 v1(135.87,56.88) ; v1(33.27,56.88) 33.27,58.53 34.19,59.46 47.83,59.46 v1(48.76,58.53) ; v1(72.12,32) R1#4.1 73.45,33.33 73.93,33.8 U3#5.3
  Bottom w0.178: v1(151.36,14.85) J4#2.1 ; v1(123.42,32) 123.42,28.44 131.93,19.93 131.93,14.6 133.33,13.2 v1(135.87,13.2) ; v1(100.06,58.53) J4#5.1 ; v1(33.27,56.88) 30.73,56.88 29.33,58.28 29.33,63.61 20.82,72.12 v1(20.82,75.68) ; v1(84.57,56.88) 82.03,56.88 80.63,58.28 80.63,63.61 72.12,72.12 v1(72.12,75.68) ; v1(33.27,13.2) 30.73,13.2 29.33,14.6 29.33,19.93 20.82,28.44 v1(20.82,32) ; v1(100.06,14.85) J4#3.1 ; v1(48.76,58.53) J4#4.1 ; v1(72.12,32) 72.12,28.44 80.63,19.93 80.63,14.6 82.03,13.2 v1(84.57,13.2) ; v1(123.42,75.68) 123.42,72.12 131.93,63.61 131.93,58.28 133.33,56.88 v1(135.87,56.88) ; v1(151.36,58.53) J4#6.1 ; v1(48.76,14.85) J4.1
5V: length 374.1
  Top w0.178: JP1#3.2 R1#3.2 ; JP1#5.2 R1#2.2 ; JP1#4.2 R1#4.2 ; JP1#6.2 R1#6.2 ; JP1#2.2 R1#5.2 ; JP1.2 R1.2
  Top w0.559: 128,79.23 129.39,79.23 ; 128,79.23 128,78.46 128.18,78.28 U3#6.1 ; 128,79.23 128,81.76 127.48,82.28 JP1#6.2 ; 129.39,79.23 v1(129.39,79.74) ; 129.39,79.23 v1(129.39,78.72) ; v1(159.11,85.46) v1(159.11,84.82) ; v1(159.11,41.78) v1(159.11,41.14) ; JP1#5.2 76.18,82.28 76.71,81.76 C8#3.1 C9#3.1 ; 25.41,35.55 25.41,38.08 24.88,38.6 JP1.2 ; 25.41,35.55 25.41,34.78 25.58,34.6 U3.1 ; 25.41,35.55 26.79,35.55 ; v1(56.51,41.78) v1(56.51,41.14) ; 78.09,35.55 v1(78.09,35.04) ; 78.09,35.55 v1(78.09,36.06) ; 78.09,35.55 C9#4.1 ; 128,35.55 129.39,35.55 ; 128,35.55 128,34.78 128.18,34.6 U3#4.1 ; 128,35.55 128,38.08 127.48,38.6 JP1#2.2 ; 129.39,35.55 v1(129.39,35.04) ; 129.39,35.55 v1(129.39,36.06) ; 25.41,79.23 25.41,78.46 25.58,78.28 U3#2.1 ; 25.41,79.23 25.41,81.76 24.88,82.28 JP1#3.2 ; 25.41,79.23 26.79,79.23 ; v1(107.81,85.46) v1(107.81,84.82) ; 26.79,79.23 v1(26.79,79.74) ; 26.79,79.23 v1(26.79,78.72) ; 26.79,35.55 v1(26.79,35.04) ; 26.79,35.55 v1(26.79,36.06) ; JP1#4.2 76.18,38.6 76.71,38.08 C8#2.1 C9#4.1 ; C9#4.1 76.71,34.78 76.88,34.6 U3#5.1 ; C9#3.1 76.71,78.46 76.88,78.28 U3#3.1 ; C9#3.1 78.09,79.23 ; v1(56.51,85.46) v1(56.51,84.82) ; 78.09,79.23 v1(78.09,79.74) ; 78.09,79.23 v1(78.09,78.72) ; v1(107.81,41.78) v1(107.81,41.14)